# KiCad board keyball61_right.kicad_pcb (continued)
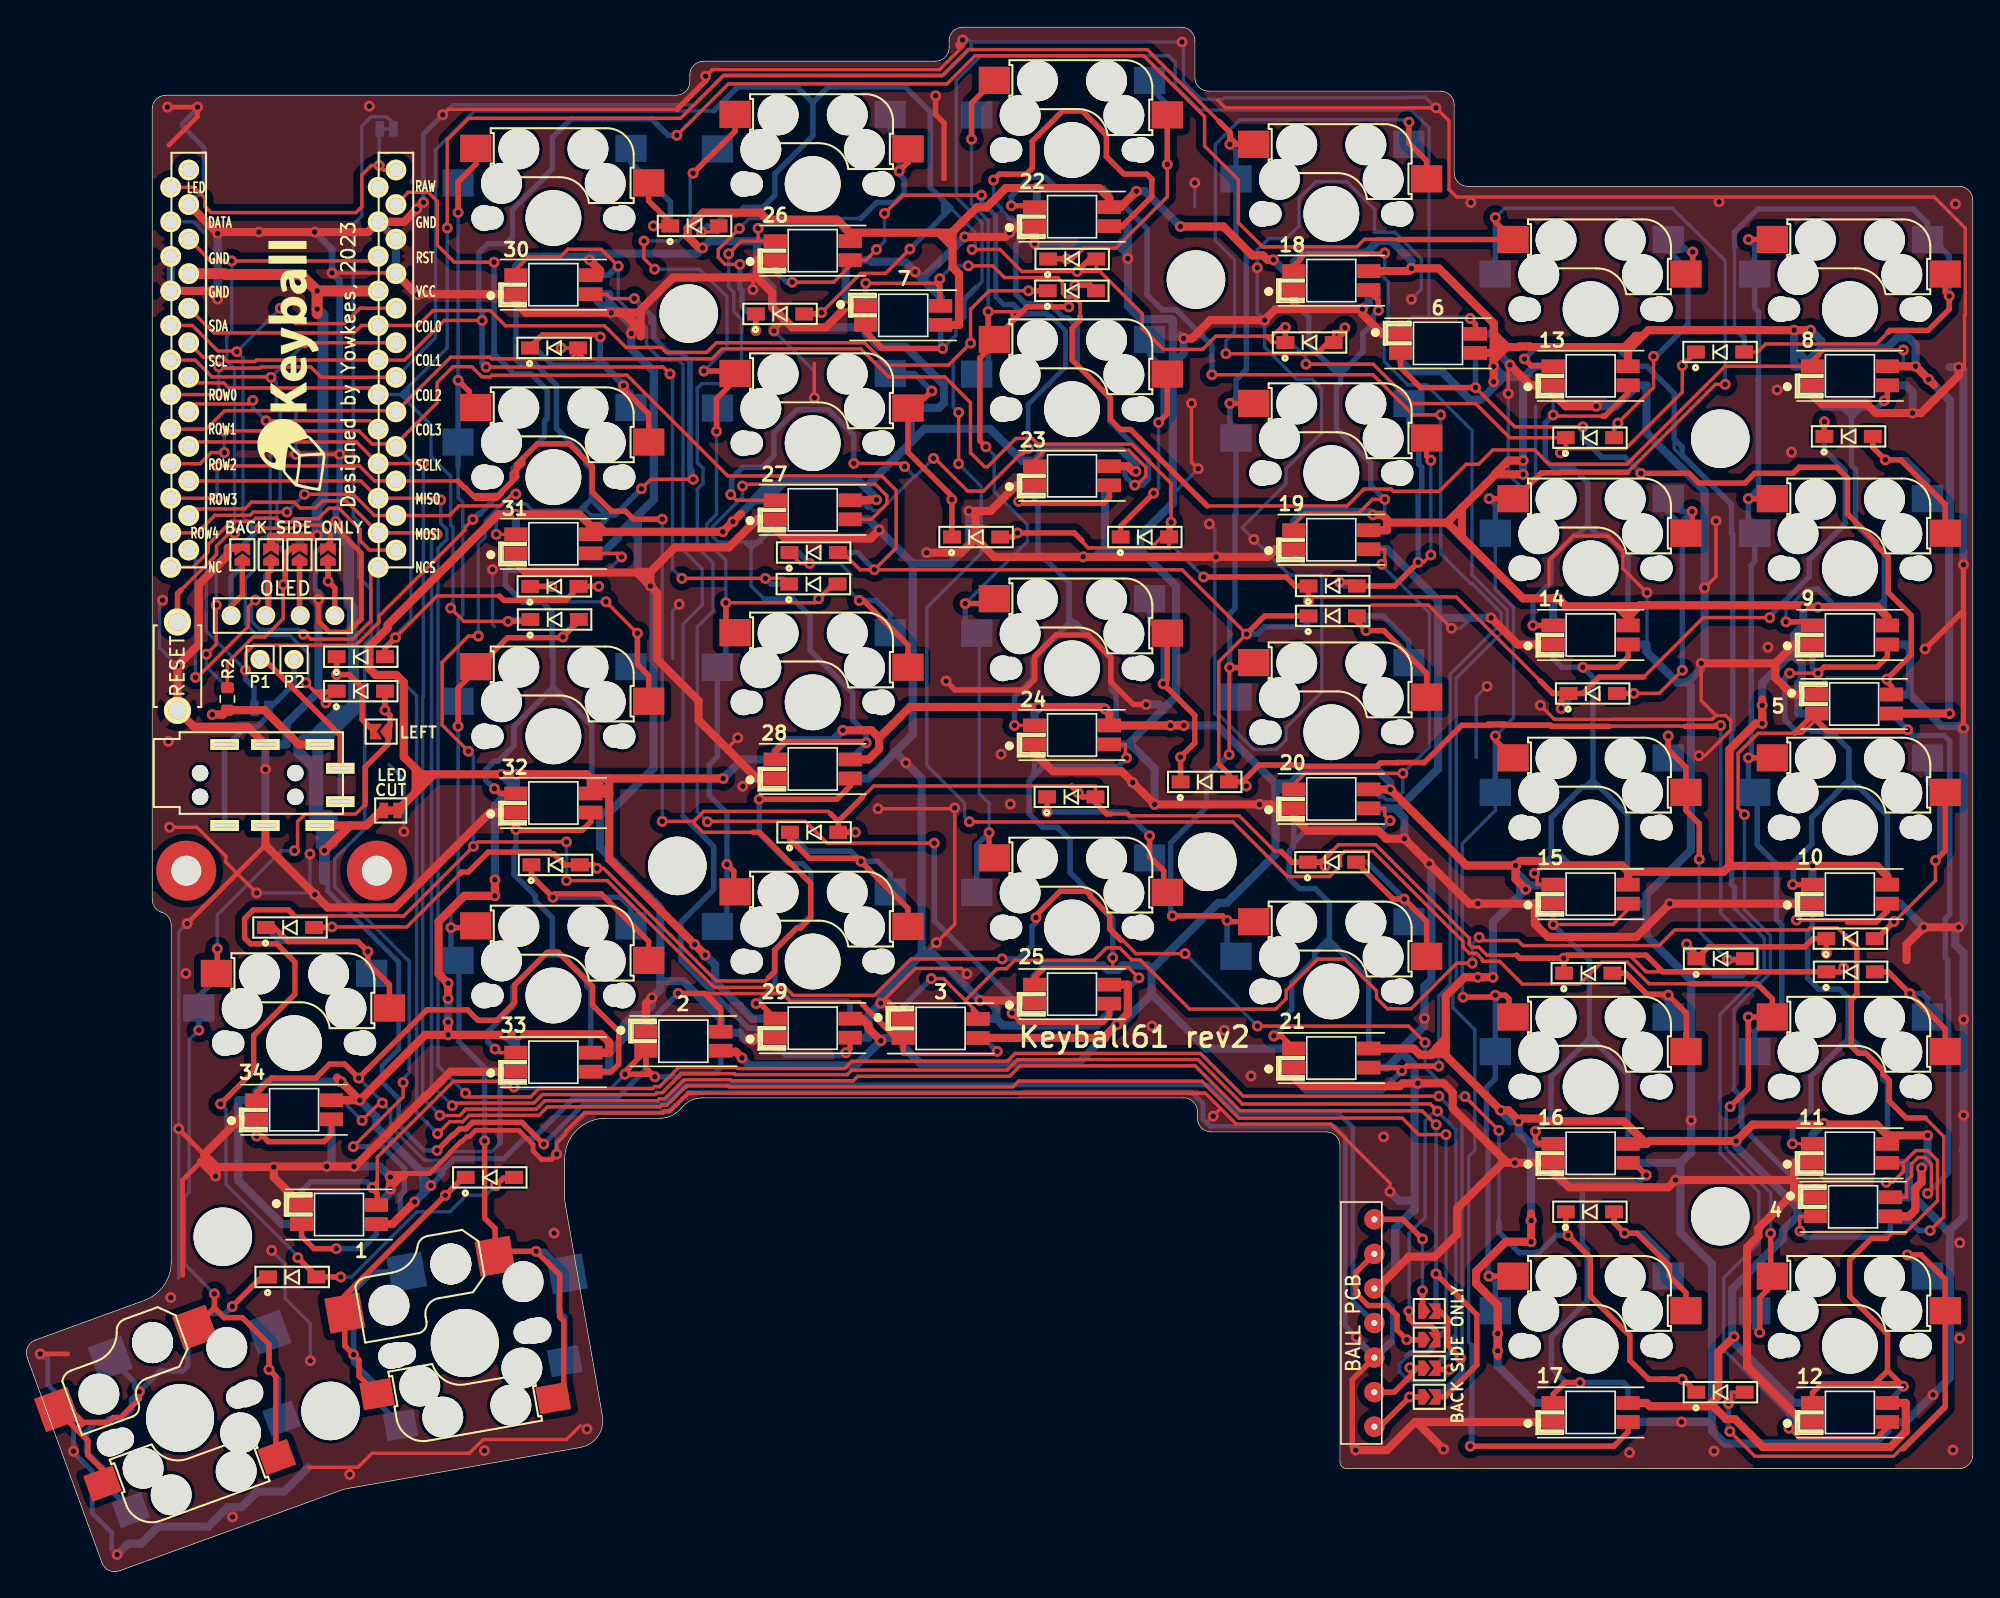
[diagram p0: board, top side]
## Routing (per net, layer and track width the routed paths; a pad name or vN(x,y) marks a point on that pad's centre or on a via; arc(x,y) is an arc through that point)
GND: length 1966.4
  Top w0.25: 66.53,45.91 v1(66.8,46.17) 68.13,47.51 v1(68.13,56.08) 68.07,56.02 v1(62.5,56.02) ; 19.38,82.07 v1(19.74,82.07) v1(22.95,82.07) ; v1(62.7,41.73) 65.25,44.28 68.63,44.28 v1(69.03,43.88) ; v1(104.63,69.29) 102.93,70.99 98.77,70.99 ; v1(44.38,90.95) 44.38,91.92 44.27,92.02 ; 124.07,62.87 123.79,62.6 112.19,62.6 v1(111.16,63.62) ; 124.07,62.87 122.98,63.96 v1(122.98,66.71) ; 124.07,62.87 124.76,62.87 125.14,62.49 125.14,61.8 123.26,59.92 v1(122.81,59.92) ; 48.53,35.09 47.23,33.79 46.81,33.79 46.69,33.67 46.69,33.65 40.91,33.65 39.56,32.3 39.56,32.08 38.89,31.42 v1(38.89,30.63) ; 48.53,35.09 49.26,35.09 ; 48.53,35.09 48.89,35.09 48.92,35.11 49.47,35.11 ; 48.53,35.09 49.17,35.09 ; v1(138.5,85.1) 139.07,85.1 142.32,88.36 142.32,92.28 142.38,92.33 142.38,98.69 140.09,100.98 105.01,100.98 104.47,101.52 104.45,101.52 104.45,106.58 v1(103.49,107.54) 88.01,107.54 87.45,108.1 ; v1(49.84,109.87) 50.32,110.35 67.02,110.35 68.72,112.05 v1(68.72,112.53) ; v1(54.86,91.14) 55.64,91.91 55.69,91.91 ; 87.72,33.93 86.56,35.09 ; 87.72,33.93 87.64,33.93 v1(87.12,33.42) ; 87.72,33.93 88.82,32.83 95.78,32.83 100.11,28.5 v1(100.11,27.87) ; 86.56,35.09 86.54,35.11 48.53,35.11 47.2,33.79 46.81,33.79 46.67,33.65 ; 86.56,35.09 85.23,35.09 ; v1(118.99,71.9) 117.23,73.66 117.23,74.96 116.13,76.06 113.58,76.06 111.79,74.28 111.79,72.52 ; v1(22.39,95.4) 27.04,95.4 U1.4 ; 53.6,95.06 53.31,94.77 v1(53.31,94.18) ; v1(124.06,77.17) 124.06,73.09 v1(123.23,72.25) ; v1(30.52,107.03) 30.92,107.43 47.74,107.43 ; v1(57.82,86.23) 57.82,88.75 ; 49.04,95.19 48.92,95.06 ; v1(86.02,81.01) 85.53,81.5 v1(85.53,85.81) ; v1(16.85,49.83) 14.59,52.09 14.59,52.52 12.45,54.66 v1(10.46,54.66) ; 20.66,7.61 24.29,7.61 25.32,8.64 32.48,8.64 33.49,9.65 39.61,9.65 40.63,10.67 ; v1(108.94,88.64) 108.8,88.51 v1(108.8,86.53) ; 51.45,60.39 51.45,60.47 v1(52.2,61.23) ; 13.91,29.68 13.91,28.85
  Top w0.35: v1(11.74,47.58) 17.5,53.33 ; 22.67,76.68 24.54,74.81 24.54,69.96 23.58,69 22.2,69 21.39,69.81 v1(21.39,71.41) ; 22.67,76.68 22.67,76.79 ; 22.67,76.68 v1(22.67,77.14) ; 11.41,21.71 11.41,28.72 12.77,30.07 ; 26.68,29.24 v1(26.68,28.06) 27.83,29.2 ; 26.93,29.2 v1(26.67,28.95) ; 26.93,29.2 27.83,29.2 ; 26.93,29.2 29.47,29.2 ; 27.83,29.2 29.47,29.2 ; v1(10.3,107.59) v1(12.5,107.59) 12.5,106.89 10.4,104.79 ; v1(0.95,15.94) 2.97,15.94 ; v1(38.89,30.63) 38.49,30.23 37.79,30.23 37.16,30.86 37.16,31.33 36.11,32.38 32.95,32.38 32.48,31.91 32.29,31.91 31.94,31.57 31.87,31.57 31.07,30.77 31.07,30.72 29.56,29.2 29.47,29.2 ; 10.98,32.61 12.99,30.6 13.91,29.68 v1(18.12,29.68) ; 15.17,75.19 JP2.2
  Top w0.4: v1(142.24,73.96) 142.24,70.38 ; 142.24,70.38 142.24,61.95 v1(142.25,61.94) ; 142.24,70.38 142.04,70.38 v1(139.42,67.76) ; J2.5 97.34,14.05 97.34,9.12 v1(97.59,8.87) ; v1(66.73,108.42) 66.73,107.05 67.35,106.43 67.35,102.33 ; v1(49.84,109.87) 49.84,109.53 47.74,107.43 ; v1(82.2,63.68) 81.26,63.68 79.6,65.34 79.6,67.12 77.93,68.79 75.58,68.79 74.01,67.23 74.01,65.52 73.24,64.75 68.16,64.75 v1(67.5,65.41) ; 68.37,112.18 68.72,112.53 v1(68.72,112.53) 68.72,112.24 68.48,111.99 68.45,111.99
  Top w0.6: v1(66.07,74.84) 68.63,74.84 69.67,75.89 ; 110.75,49.04 v1(106.57,49.04) 105.94,49.04 v1(103,51.98) v1(101.17,53.81) 99.83,53.81 99.23,54.42 94.05,54.42 93.05,55.41 20.3 91.7,56.04 91.41,56.34 v1(90.53,56.34) v1(82.82,56.34) v1(81.22,57.94) 80.39,58.77 75.36,58.77 74,60.12 24.3 ; 110.75,49.04 110.75,47.56 111.72,46.59 118.22,46.59 v1(120.67,49.04) 10.3 ; 110.75,49.04 15.3 ; 27.3 54.95,76.6 55.67,75.88 61.95,75.88 v1(62.58,76.51) ; 27.3 54.95,76.62 ; 27.3 53.6,77.29 51.54,75.22 47.58,75.22 45.78,73.43 ; U1.4 28.6,93.84 30.3 35.9,93.22 36.64,92.48 v1(42.91,92.48) 43.51,92.48 ; 13.91,29.68 13.91,29.09 v1(13.83,29.01) 12.77,30.07 ; 13.91,29.68 v1(18.12,29.68) ; 13.91,29.68 12.99,30.6 15.5,33.11 15.5,33.19 34.3 ; 138.06,44.88 138.06,46.03 v1(139.34,47.3) v1(141.89,47.3) ; v1(104.05,8.94) 102.05,10.94 101.95,10.94 ; 44.79,73.38 v1(45.78,72.39) ; 44.79,73.38 41.05,73.38 ; 44.79,73.38 44.84,73.43 45.78,73.43 ; v1(45.78,72.39) 45.26,72.91 ; v1(45.78,72.39) 45.78,73.43 ; v1(45.78,72.39) 45.78,72.34 ; v1(45.78,72.39) 46.28,71.89 46.28,66.99 49.32,63.96 49.32,62.53 53.6,58.24 28.3 ; v1(53.26,39.02) 53.43,39.19 29.3 53.6,39.19 ; 45.07,91.22 43.81,92.48 43.51,92.48 ; 45.07,91.22 45.07,92.48 ; 45.07,91.22 45.07,90.74 ; 2.3 45.45,41.69 v1(45.89,42.13) ; 26.3 53.6,96.34 53.6,95.06 ; v1(84.95,90.59) 85.57,90.59 86.91,91.93 v1(90.9,91.93) 91.72,92.74 93.05,92.74 ; v1(108.94,88.64) 110.43,87.14 13.3 112.1,86.52 113.02,85.6 v1(115.26,85.6) ; 11.3 129.8,29.99 129.8,28.72 ; J13.C 17.5,53.33 v1(21.13,49.7) 22.07,48.76 27.02,48.76 33.99,55.74 32.3 ; 9.3 129.8,68.09 128.42,66.71 128.42,66.71 ; 69.67,77.9 70.76,77.9 72.65,79.79 23.3 ; 69.67,77.9 69.67,75.89 ; 69.67,77.9 v1(69.19,77.9) ; v1(107.54,70.05) 109.5,68.09 14.3 ; 41.05,73.38 41.07,73.4 ; 41.05,73.38 36.62,73.38 35.9,74.1 31.3 ; 108.56,30.15 104.72,33.99 104.72,35.16 104.05,35.83 v1(102.16,35.83) 101.03,35.83 100.83,35.63 93.75,35.63 93.05,36.32 21.3 ; 108.56,30.15 105.05,26.64 105.05,24.74 103.4,23.09 101.5,23.09 99.17,20.75 ; 108.56,30.15 108.72,29.99 v1(109.28,29.99) 16.3 112.1,29.36 113.28,28.19 120.56,28.19 v1(121.1,28.72) 129.8,28.72 ; v1(74.01,97.56) 74.01,97.95 74,97.96 22.3 72.65,98.84 v1(72.17,98.36) 71.87,98.05 v1(68.88,98.05) ; 6.3 99.54,90.92 98.08,92.38 v1(98.08,92.74) 93.05,92.74 ; 128.42,66.71 128.42,65.66 129.66,64.41 5.3 ; 128.42,66.71 v1(122.98,66.71) ; 8.3 131.15,86.46 131.83,85.79 135.12,85.79 135.8,85.1 v1(138.5,85.1) 139.13,85.1 141.88,87.85 v1(141.88,88.48) ; 43.51,92.48 45.07,92.48 ; 53.6,95.06 47.45,95.06 45.07,92.69 45.07,92.48 ; 53.6,95.06 54.74,93.93 54.74,92.87 56.2,91.41 58.67,91.41 60.25,92.98 ; 3.3 63.19,41.73 v1(62.7,41.73) ; v1(13.99,93.49) 13.39,94.08 U1.4 ; 17.3 101.95,10.94 ; 101.95,10.94 99.88,8.87 v1(97.59,8.87) ; 12.3 130.44,10.94 126.35,15.03 126.35,23.77 127.18,24.6 127.18,25.17 129.46,27.45 130.03,27.45 ; U1.23 13.89,98.41 13.99,98.41 ; 15.17,75.19 14.73,75.19 14.73,74.64 12.61,72.52 12.61,68.1 v1(11.04,66.53) SW30.2 12.24,62.04 16.19,62.04 J13.C ; v1(18.12,29.68) 18.12,28.93 1.3 ; v1(18.12,29.68) 18.16,29.72 v1(22,29.72) v1(24.01,29.72) 24.08,29.72 29.25,34.9 29.31,34.9 31.1,36.69 33.3 ; 69.67,75.89 71.03,74.53 v1(77.58,74.53) v1(87.35,74.53) 91.15,74.53 91.7,75.09 19.3 ; v1(28.6,100.09) 28.35,99.84 28.35,99.82 27.69,99.16 U1.23 25.03,98.41 v1(21.11,98.41) v1(17.03,98.41) 13.99,98.41 ; 130.03,27.45 129.8,27.68 129.8,28.72 ; 130.03,27.45 4.3 ; 13.99,98.41 v1(13.99,98.31) ; 93.05,92.74 18.3 ; 27.7,29.08 27.57,28.95 v1(26.67,28.95) 26.67,28.07 v1(26.68,28.06) ; 60.25,92.98 v1(60.13,92.98) ; 60.25,92.98 7.3 ; 25.3 73.77,41.92 v1(69.99,41.92)
  Bottom w0.25: 11.13,21.5 v1(11.13,32.49) 11.13,46.96 v1(11.74,47.58) ; v1(34.18,73.6) 34.18,69.55 34.33,69.4 ; v1(86.84,76.96) 87.24,76.56 87.24,63.04 87.39,62.89 87.58,62.89 90.11,60.36 91.77,60.36 92.48,61.08 92.48,61.96 95.1,64.59 95.1,73.12 95.04,73.19 92.74,73.19 v1(90.11,75.82) 89.25,76.68 92.48,79.9 92.48,81.01 95.09,83.62 95.09,86.88 94.38,87.59 93.25,87.59 90.9,89.94 v1(90.9,91.93) 90.36,92.47 v1(90.36,95.79) 90.36,97.09 91.19,97.92 92.49,97.92 93.43,98.85 93.43,100.88 94.66,102.11 96.94,102.11 98.97,100.09 98.97,98.39 100.47,98.39 102.42,96.44 102.42,94.2 v1(101.68,93.47) ; v1(107.24,65.02) 106.45,64.23 106.45,59.79 ; v1(87.12,33.42) 86.66,32.95 86.62,32.95 ; 19.99,85.42 19.74,85.17 v1(19.74,82.07) ; v1(85.77,102.03) 85.77,100.27 ; 46.16,87.36 46.03,87.23 ; v1(20.79,15.44) 20.79,18.17 18.93,20.03 18.93,22.57 v1(17.95,23.55) ; v1(30.52,107.03) 31.26,107.76 49.04,107.76 51.26,109.99 67.38,109.99 69.35,111.96 69.35,112.3 ; 106.07,70.05 105.31,69.29 v1(104.63,69.29) ; v1(118.99,71.9) 118.99,68.13 118.95,68.09 ; v1(103.49,107.54) 102.71,108.32 101.44,108.32 101.4,108.28 87.93,108.28 87.82,108.17 86.23,108.17 84.94,109.46 84.94,112.27 v1(84.83,112.38) 69.43,112.38 69.35,112.3 ; 69.35,112.3 69.12,112.53 v1(68.72,112.53) ; v1(86.02,81.01) 84.16,79.14 84.16,78.48 ; v1(54.86,91.14) 57.82,88.18 v1(57.82,86.23) ; 65.71,45.32 65.94,45.32 v1(66.8,46.17) ; 47.4,67.08 47.4,70.56 v1(47.89,71.05) ; v1(20.77,52.69) 20.77,50.06 v1(21.13,49.7) 21,49.83 v1(16.85,49.83) ; v1(27.67,54.34) 27.67,58.17 26.57,59.27 ; 69.11,77.97 v1(69.19,77.9) ; v1(9.94,71.35) 9.71,71.12 9.71,67.85 v1(11.04,66.53) ; v1(108.8,86.53) 108.8,80.62 109.77,79.65 110.01,79.65 110.81,80.45 110.81,85.6 ; 80.87,95.21 80.85,95.23
  Bottom w0.35: 0.9,15.99 v1(0.95,15.94) 1.2,15.69 1.5,15.69 1.5,13.69 3.4,11.79 v1(3.4,8.79) 3.4,8.71 4.77,7.34 4.77,5.41 ; v1(6.6,1.19) 6.2,1.59 6.2,2.81 4.77,4.24 4.77,5.41 ; v1(30.52,107.03) 29.1,105.61 v1(29.1,100.59) ; 4.77,5.17 4.77,5.41 ; U1.23 13.01,101.57 13.01,104.59 11.4,106.19 11.4,106.39 12.6,107.59 v1(12.5,107.59) ; v1(38.89,30.63) 38.89,31.54 41.02,33.66 46.48,33.66 46.58,33.77 47.05,33.77 47.12,33.79 47.52,34.19 47.63,34.19 48.61,35.16 85.56,35.16 86.37,34.35 86.37,33.2 86.9,32.68 86.9,32.67 86.93,32.67 86.98,32.66 96.02,32.66 96.84,31.84 96.84,18 v1(97.65,17.19) 99.17,15.67 100.29,16.8 100.29,19.43 J2.3 ; 21.39,71.88 21.16,72.12 21.16,74.81 21.54,75.19 BACK SIDE ONLY#4.2
  Bottom w0.4: v1(97.65,17.19) 97.65,16.99 J2.5 100.09,16.8 100.29,16.8
  Bottom w0.5: v1(22.67,77.14) 22.67,77.99 22.95,78.27 v1(22.95,82.07) 22.95,94.84 v1(22.39,95.4) 22.39,97.14 21.12,98.41
  Bottom w0.6: J13.C v1(17.5,58.91) J13.C 19.05,60.74 19.05,62.29 21.39,64.64 v1(21.39,71.41) 21.39,71.88 ; 65.75,94.96 v1(65.23,95.48) 64.48,96.23 62.02,96.23 61.91,96.34 26.3 60.13,96.01 v1(60.13,92.98) ; 65.75,94.96 67.1,93.61 7.3 ; 65.75,94.96 66.73,95.95 66.77,95.95 v1(68.88,98.05) ; 80.85,95.23 v1(80.85,96.46) 80.85,96.75 ; 63.75,60.19 v1(64.55,59.39) 65.71,58.23 65.71,45.32 ; 63.75,60.19 65.06,61.49 65.06,74.04 ; 63.75,60.19 61.8,58.24 28.3 ; 123.77,10.94 v1(121.53,10.94) 17.3 ; 123.77,10.94 123.77,22.54 121.45,24.86 121.45,28.72 ; 123.77,10.94 123.77,10.29 124.71,9.35 135.68,9.35 136.65,10.32 12.3 138,10.94 v1(140,12.94) 141.25,14.19 141.25,24.82 ; v1(26.68,28.06) 26.68,27.82 ; 26.68,27.82 25.76,26.89 1.3 25.83,26.89 ; 26.68,27.82 26.67,27.83 v1(26.67,28.95) 25.9,29.72 v1(22,29.72) 22.35,30.08 34.3 ; 44.38,91.58 v1(44.38,90.95) 44.38,89.82 46.03,88.16 46.03,78.74 44.86,77.57 ; 44.38,91.58 43.48,92.48 v1(42.91,92.48) 42.76,92.48 30.3 42.75,93.84 42.75,93.2 44.38,91.58 ; 84.71,90.83 v1(84.95,90.59) 84.95,89.49 84.16,88.69 84.16,88.66 ; 141.21,88.48 v1(141.88,88.48) 141.97,88.48 142.24,88.21 v1(142.24,73.96) ; 142.25,31.02 v1(142.25,33.49) v1(142.25,40.53) 142.25,45.42 141.65,46.02 141.65,47.07 v1(141.89,47.3) 142.25,47.67 142.25,61.64 ; 142.25,31.02 142.25,26.01 141.25,25.01 141.25,24.82 ; 142.25,31.02 142.19,30.95 ; 142.25,61.64 v1(142.25,61.94) ; 142.25,61.64 141.79,62.1 140.63,62.1 138.31,64.41 ; 65.71,45.32 66.6,45.32 v1(69.99,41.92) 70.61,41.92 71.2,41.33 71.2,40.57 ; 65.71,45.32 62.7,42.31 v1(62.7,41.73) 61.8,40.83 61.8,39.19 29.3 ; v1(53.26,39.02) 52.84,39.02 52.3,39.55 50.95,39.55 50.95,40.59 48.2,43.34 46.51,43.34 ; v1(107.54,70.05) 103.65,70.05 ; 121.45,28.72 v1(121.1,28.72) ; 121.45,28.72 121.45,29.99 ; 138.62,27.45 138.23,27.45 ; 138.62,27.45 138.62,28.02 ; 138.62,27.45 141.25,24.82 ; 138.23,27.45 138.23,29.76 138,29.99 11.3 ; 138.23,27.45 4.3 ; 80.85,97.42 80.84,97.4 80.33,97.4 ; 80.85,97.42 80.85,98.12 ; 80.85,97.42 80.85,96.75 ; 80.33,97.4 80.33,97.59 80.85,98.12 ; 80.33,97.4 80.33,97.27 80.85,96.75 ; 80.33,97.4 74.12,97.4 74.01,97.51 v1(74.01,97.56) ; 81.78,75.01 84.4,72.39 84.4,64.29 83.47,63.35 ; 81.78,75.01 79.42,75.01 79.18,75.26 ; 81.78,75.01 81.78,76.1 84.16,78.48 84.16,88.66 ; 138.31,64.41 138.31,67.78 138,68.09 9.3 ; 138.31,64.41 5.3 ; 71.2,40.57 71.68,40.09 78.58,40.09 79.5,41.01 25.3 ; 71.2,40.57 3.3 ; 79.18,75.26 79.18,79.46 23.3 ; 79.18,75.26 78.45,74.53 v1(77.58,74.53) ; 44.46,77.17 44.12,76.83 ; 44.46,77.17 44.86,77.57 ; 44.46,77.17 43.38,76.09 ; 44.12,76.83 44.12,76.77 44.86,76.02 ; 44.12,76.83 43.38,76.09 ; 80.85,98.12 80.85,98.84 22.3 ; 44.86,76.02 44.86,73.31 v1(45.78,72.39) 46.01,72.16 46.01,58.99 42.75,55.74 42.08,55.74 ; 44.86,76.02 44.86,77.57 ; U1.4 U1.3 ; 27.3 61.8,77.29 v1(62.58,76.51) 65.06,74.04 ; 100.61,55.92 100.49,56.04 20.3 ; 100.61,55.92 103.65,58.95 103.65,70.05 ; 100.61,55.92 101.17,55.36 v1(101.17,53.81) 103.15,51.82 103.15,43.47 102.64,42.96 v1(102.64,40.61) 102.64,40.05 101,38.41 101,38.09 ; 33.3 42.75,36.69 42.75,38.1 43.89,39.23 43.89,40.21 44.55,40.87 45.18,40.87 45.89,41.58 v1(45.89,42.13) 46.51,42.75 46.51,43.34 ; 65.06,74.04 67.81,74.04 69.19,75.41 v1(69.19,77.9) ; 24.3 80.85,60.74 80.96,60.84 ; 32.3 42.08,55.74 ; 42.08,55.74 42.08,53.17 46.51,48.74 46.51,43.34 ; 103.65,70.05 103.65,71.34 99.9,75.09 19.3 ; 80.96,60.84 82.82,58.97 v1(82.82,56.34) ; 80.96,60.84 83.47,63.35 ; 16.3 121.45,29.99 ; 101.92,27.21 101.92,26.47 ; 101.92,27.21 101.92,37.17 101,38.09 ; 101.92,27.21 100.78,27.21 v1(100.11,27.87) ; 101.92,26.47 101.92,27.17 ; 101.92,26.47 101.79,26.47 100.5,25.19 100.5,22.09 99.17,20.75 ; 121.96,65.29 122.22,65.03 122.22,52.97 118.95,49.7 118.95,49.04 ; 121.96,65.29 122.98,66.31 v1(122.98,66.71) 123.23,66.96 v1(123.23,72.25) 123.23,79.37 118.95,83.64 118.95,87.14 118.28,87.14 ; 121.96,65.29 121.22,65.29 118.95,67.56 118.95,68.09 14.3 ; v1(6.6,1.19) 7.4,1.99 8.35,1.99 9.6,3.24 13.29,3.24 14.72,4.67 15.74,4.67 16.9,5.82 18.88,5.82 20.66,7.61 ; 18.3 98.55,93.21 v1(98.08,92.74) ; 83.47,63.35 83.14,63.68 v1(82.2,63.68) ; v1(138.5,85.1) 138.5,86.64 138,87.14 8.3 ; U1.23 25.82,99.16 U1.3 U1.4 ; v1(115.26,85.6) 116.74,85.6 118.28,87.14 ; 13.3 118.28,87.14 ; 80.87,95.21 80.87,92.97 81.83,92.01 84.08,92.01 84.16,91.93 84.16,88.66 ; 118.95,49.04 118.95,46.69 122.24,43.4 v1(122.24,33.12) 122.24,30.78 121.45,29.99 ; 118.95,49.04 15.3 ; v1(28.6,100.09) v1(29.1,100.59) ; 101,38.09 99.9,36.99 21.3 ; 6.3 107.74,90.92 107.74,89.83 v1(108.94,88.64) ; 10.3 137.6,49.04 v1(139.34,47.3) ; 43.38,76.09 43.38,75.92 ; 43.38,76.09 43.38,75.92 ; 43.38,75.92 42.25,74.79 31.3 ; v1(13.99,98.31) v1(13.99,93.49)
  vias: v1(10.37,60.97) v1(10.54,20.08) v1(11.65,43.92) v1(15.08,3.96) v1(23.69,7.08) v1(25.13,107.66) v1(28.67,93.81) v1(33.58,8.83) v1(38.7,24.82) v1(41.12,10.42) v1(52.56,57.67) v1(71.54,60.02) v1(72.22,56.36) v1(82.62,40.04) v1(87.94,39.74) v1(89.9,36.37) v1(99.64,31.9) v1(106.05,100.58) v1(117.71,8.69) v1(123.92,8.8) v1(124.28,100.63) v1(127.88,67.89) v1(128.55,86.8) v1(129.61,82.23) v1(141.47,8.88) v1(141.65,100.47) v1(141.97,24.11) v1(141.96,17.09)
VCC: length 229.1
  Top w0.35: 17.9,75.52 JP4.2
  Top w0.4: v1(30.1,30.9) 31.24,32.03 31.31,32.03 31.76,32.49 32.24,32.49 32.71,32.96 36.34,32.96 v1(37.94,31.36)
  Top w0.6: 17.9,75.52 17.9,76.01 21.19,76.01 v1(21.3,76.11) ; 23.68,54.79 23.68,54.73 22.41,53.46 ; 23.68,54.79 24.9,54.79 26,55.89 ; 23.68,54.79 23.67,54.79 v1(21.84,52.96) ; 23.68,54.79 J13.D ; J13.D 19.95,60.74 17.42,63.26 R2.1 14.38,62.94 v1(13.6,62.94) ; 20.03,95.35 v1(21.3,94.08)
  Top w0.8: U1.21 v1(21.3,94.08) ; v1(21.3,94.08) 21.3,92.41 ; v1(21.3,94.08) 20.09,95.29 14.54,95.29 14.48,95.35 U1.21
  Bottom w0.35: 39.19,32.62 40.79,34.21 46.25,34.21 46.35,34.32 46.87,34.32 48.26,35.71 86.94,35.71 89.01,33.64 96.33,33.64 97.39,32.58 97.39,19.79 97.51,19.67 ; 39.19,32.62 38.34,31.77 38.34,31.77 v1(37.94,31.36) 37.92,31.35 ; 39.19,32.62 39.18,32.62 ; 21.84,50.8 22.07,50.56 22.07,49.97 22.47,49.57 22.47,49.57 27.29,44.74 27.29,44.58 27.28,44.57 27.28,38.34 26.06,37.12 26.06,35.93 27.28,34.71 27.28,32.77 29.16,30.9 v1(30.1,30.9) ; 22.66,53.51 21.5,54.67 J13.D
  Bottom w0.4: 97.51,19.67 J2.4
  Bottom w0.6: 21.5,53.92 21.5,53.3 v1(21.84,52.96) ; 21.5,53.92 J13.D 20.99,55.3 20.99,59.02 19.95,60.06 19.95,60.74 J13.D ; 21.5,53.92 21.93,53.48 ; R2.1 14.38,62.94 v1(13.6,62.94) ; 22.89,63.22 23.31,63.22 23.98,63.88 23.98,63.96 ; JP15.2 20,76.01 20.11,76.11 v1(21.3,76.11)
  Bottom w0.8: 23.98,63.22 22.89,63.22 20.78,61.11 20.32,61.11 19.95,60.74 19.95,60.16 20.78,59.33 ; 23.98,63.22 J13.D 21.35,60.59 21.35,55.52 ; 23.98,63.22 23.98,68.14 23.88,68.24 23.88,69.58 23.9,69.6 23.9,70.8 ; v1(21.84,52.96) 22.34,53.46 22.41,53.46 ; v1(21.84,52.96) 21.84,50.8 ; v1(21.84,52.96) 21.84,54.45 J13.D ; 22.41,53.46 22.41,55.25 22.14,55.52 21.35,55.52 ; 22.41,53.46 22.41,53.87 J13.D ; J13.D 21.35,54.94 21.35,55.52 ; 23.88,70.8 23.63,71.05 23.63,75.46 22.97,76.11 v1(21.3,76.11) 21.3,78.27 21.72,78.7 21.72,92.31 v1(21.3,92.74) v1(21.3,94.08)
COL0: length 309.3
  Top w0.25: v1(69.21,55.06) 69.81,55.06 69.83,55.05 88.58,55.05 92.59,51.03 95.68,51.03 96.48,51.83 96.48,52.59 96.78,52.89 98.85,52.89 105.49,46.25 105.49,45.84 105.94,45.39 106.46,45.39 106.88,44.97 106.88,44.86 106.94,44.8 108.16,44.8 109.84,43.12 114.05,43.12 115.66,44.73 117.57,44.73 119.14,43.15 122.24,43.15 ; v1(68.42,85.15) v1(68.42,81.38) ; U1.20 13.14,91.54 13.18,91.54 13.73,90.99 24.01,90.99 24.55,91.54 U1.20 28.72,91.54 29.81,92.63 34.02,92.63 35.13,91.52 42.41,91.52 44,89.92 44.01,89.93 46.58,89.93 46.94,89.56 49.91,89.56 50.63,90.27 61.41,90.27 61.51,90.27 63.15,88.63 67.69,88.63 v1(69.3,90.24) 69.3,92.73 70.66,94.09 v1(73.55,94.09)
  Top w0.4: v1(126.45,78.81) SW7.1 ; v1(126.45,97.86) SW1.1 ; v1(128.08,24.8) 128.08,21.78 SW26.1 128.2,21.01 127.27,20.08 v1(127.27,17.51) ; 122.24,43.15 127.09,43.15 128.2,42.03 SW19.1 v1(126.44,40.71) 126.44,35.45 v1(125.1,34.12) ; D31.1 v1(73.55,94.09) ; SW13.1 v1(126.45,59.76)
  Bottom w0.25: v1(125.1,34.12) 124.82,33.83 124.82,31.05 128.08,27.79 v1(128.08,24.8) ; v1(68.42,81.38) 70.09,79.71 70.09,74.8 66.08,70.79 66.08,59.21 68.86,56.43 68.86,55.41 v1(69.21,55.06) ; v1(69.3,90.24) 68.02,88.97 68.02,85.55 v1(68.42,85.15) ; 126.9,39.49 126.44,39.96 v1(126.44,40.71) ; 126.9,39.49 SW19.1 ; 126.9,39.49 128.51,41.1 ; 127.12,87.54 127.12,79.02 126.9,78.81 v1(126.45,78.81) ; 126.68,73.95 126.68,59.76 v1(126.45,59.76)
  Bottom w0.4: v1(126.44,40.71) 126.44,38.63 SW19.1 126.9,39.6 128.89,41.59 128.89,47.47 128.51,47.86 128.51,51.95 127.09,53.36 127.09,57.03 SW13.1 126.45,57.67 v1(126.45,59.76) 126.66,59.97 126.66,73.93 126.9,74.17 SW7.1 126.45,76.73 v1(126.45,78.81) 127.19,79.55 127.19,87.61 ; v1(127.27,17.51) 126.9,17.88 SW26.1 ; 127.19,87.61 127.12,87.54 ; 127.19,87.61 127.19,92.54 126.9,92.83 SW1.1 126.9,97.41 v1(126.45,97.86) ; v1(73.55,94.09) D31.1
COL1: length 296.7
  Top w0.25: 47.23,87.97 v1(47.22,87.98) 46.72,88.49 v1(33.71,88.49) ; U1.19 12.92,89.21 14.37,89.21 14.69,88.89 16.74,88.89 16.85,89 U1.19 27.72,89 30.63,91.91 v1(33.42,91.91) ; 122.75,85.94 117.56,80.75 ; 122.75,85.94 122.91,86.1 ; 122.75,85.94 124.03,87.21 v1(124.74,87.21) ; 107.99,42.03 107.85,42.17 ; 107.85,42.17 v1(107.85,42.31) ; 107.85,42.17 v1(105.49,42.17) ; v1(48.09,72.95) v1(54.22,72.95) 55.56,72.95 D32.1 ; 100.8,97.88 98.24,97.88 97.68,97.31 90.76,97.31 88.97,99.1 88.97,102.25 86.49,104.73 86.49,106.89 82.02,111.37 69.63,111.37 67.57,109.3 51.51,109.3 48.44,106.23 48.44,106.23 v1(47.72,105.52)
  Top w0.4: v1(107.85,61.37) 107.85,61.06 SW14.1 ; SW20.1 108.86,41 108.86,42.03 108.58,42.31 v1(107.85,42.31) 107.72,42.17 v1(105.49,42.17) ; v1(107.4,78.81) SW8.1 109.34,78.81 111.24,80.71 112.6,80.71 112.64,80.75 117.56,80.75 ; SW27.1 v1(107.38,21.66) ; 100.8,97.88 100.82,97.86 SW2.1 107.85,99.16 v1(107.85,99.47)
  Bottom w0.25: 48.13,72.91 v1(48.09,72.95) 47.4,73.64 47.4,87.8 v1(47.22,87.98) ; 47.07,105.52 46.2,106.4 ; SW14.1 107.85,55.89 105.43,53.47 105.43,42.22 v1(105.49,42.17) ; v1(107.85,61.37) 109.19,62.71 109.19,70.81 107.85,72.14 SW8.1 ; v1(107.85,99.47) 108.53,100.15 120.88,100.15 124.74,96.29 v1(124.74,87.21)
  Bottom w0.4: D32.1 54.64,72.53 v1(54.22,72.95) ; 38,102.41 35.65,100.06 35.65,98.05 35.16,97.55 33.84,97.55 33.17,96.89 33.17,92.8 33.42,92.56 v1(33.42,91.91) 33.42,88.78 v1(33.71,88.49) ; 38,102.41 38.06,102.41 ; 38,102.41 38,102.48 38.59,103.07 38.59,105.37 39.94,106.72 45.87,106.72 47.07,105.52 v1(47.72,105.52) ; SW8.1 107.85,78.36 v1(107.4,78.81) ; SW27.1 107.85,21.18 v1(107.38,21.66) 107.32,21.72 107.32,31.4 107.2,31.51 107.2,35.53 107.85,36.18 SW20.1 v1(107.85,42.31) ; v1(107.85,99.47) SW2.1 ; SW14.1 v1(107.85,61.37)
COL2: length 209.1
  Top w0.25: 87.55,106.55 82.28,111.82 69.13,111.82 67.21,109.9 51.12,109.9 47.99,106.77 32.43,106.77 30.85,105.19 v1(30.85,98.71) ; U1.18 12.29,87.31 14.44,87.31 14.8,86.95 25.29,86.95 U1.18 ; v1(31.11,70.76) 32.08,69.79 v1(35.32,69.79) 36.95,69.79 36.96,69.8 ; v1(88.3,60) 88.3,66.36 v1(88.34,66.4)
  Top w0.4: SW21.1 88.24,47.71 v1(88.15,47.8) 87.81,48.15 v1(84.13,48.15) ; 88.35,105.74 87.55,106.55 ; 88.35,105.74 v1(88.35,104.86) 88.83,104.86 ; 88.35,105.74 88.35,105.34 88.83,104.86 ; v1(88.35,85.81) SW9.1 ; v1(35.32,69.79) 36.83,69.79 D33.1 ; SW15.1 89.74,66.4 v1(88.34,66.4) ; 88.83,104.86 SW3.1
  Bottom w0.25: 31.05,70.71 v1(31.11,70.76) 31.28,70.93 31.28,76.72 31.1,76.9 31.1,80.46 29.66,81.9 29.66,84.22 28.05,85.84 ; v1(35.32,69.79) 36.95,69.79 36.96,69.8 ; 27.43,86.46 27.67,86.22 ; 27.43,86.46 27.7,86.73 ; 27.43,86.46 U1.18 ; 27.67,86.22 27.7,86.24 27.7,86.73 ; 27.67,86.22 27.83,86.06 ; 28.05,85.84 27.83,86.06 ; 28.05,85.84 28.05,87.08 ; 28.05,87.08 30.85,89.89 v1(30.85,98.71) ; 28.05,87.08 27.87,86.9 ; 27.83,86.06 27.87,86.09 27.87,86.9 ; 27.87,86.9 27.7,86.73
  Bottom w0.4: v1(35.32,69.79) 35.46,69.93 D33.1 ; v1(84.13,48.15) 84,48.28 84,53.5 86.63,56.13 86.63,58.33 v1(88.3,60) ; SW15.1 88.34,64.69 v1(88.34,66.4) 88.34,70.35 88.73,70.74 88.73,77.65 88.8,77.73 SW9.1 88.35,83.72 v1(88.35,85.81) 88.8,86.26 88.8,87.54 89.56,88.3 89.56,96.97 88.8,97.73 SW3.1 88.8,104.41 v1(88.35,104.86) ; SW21.1 88.15,45.82 v1(88.15,47.8)
COL3: length 45.4
  Top w0.25: v1(21.95,63.79) 21.59,64.15 ; 21.59,64.15 21.02,64.72 ; 21.59,64.15 21.62,64.18 21.62,64.66 ; 21.59,64.15 22.1,64.66 ; 21.02,64.72 v1(20.47,65.27) ; 21.02,64.72 21.08,64.66 21.62,64.66 ; D34.1 22.1,64.66 ; 22.1,64.66 21.62,64.66 ; v1(16.58,86.04) 16.31,85.77 12.45,85.77 U1.17 ; U1.17 25.17,84.54 v1(17.54,84.54)
  Bottom w0.25: v1(20.47,65.27) 20.68,65.48 20.68,67.38 19.32,68.74 16.89,68.74 16.03,69.61 16.03,72.93 16.85,73.76 16.85,75.53 17.24,75.91 17.46,75.91 17.85,76.3 17.85,84.23 v1(17.54,84.54) 16.58,85.5 v1(16.58,86.04)
  Bottom w0.4: v1(21.95,63.79) 21.95,63.88 D34.1
DATA: length 105.2
  Top w0.25: U1.2 27.99,101.33 29.46,101.33 30.12,100.67 30.12,97.45 31.38,96.19 v1(34.3,96.19) ; v1(16.04,66.19) 16.04,67.44 16.63,68.03 24.14,68.03 25.85,69.74 25.85,70.19 32.19,76.53 32.19,76.73 v1(32.74,77.29)
  Bottom w0.25: U1.2 12.21,99.16 13.15,98.21 13.15,69.08 v1(16.04,66.19) ; 16.66,64.9 16.66,63.43 16.69,63.4 16.69,63.39 ; v1(34.3,96.19) 34.3,89.87
  Bottom w0.4: v1(16.04,66.19) 16.04,65.53 16.66,64.9 16.66,63.88 16.61,63.83 16.61,63.39 ; 34.3,89.46 34.3,89.87 ; 34.3,89.46 v1(34.3,96.19) ; 34.3,89.46 35.76,87.99 36.99,87.99 38.2,86.78 38.2,84.69 38.05,84.54 38,84.54 38,83.36 35.69,81.05 35.69,80.13 33.25,77.69 33.14,77.69 v1(32.74,77.29)
LED: length 23.3
  Top w0.25: U1.1 26.18,102.97 v1(25.85,103.3) ; v1(25.85,103.3) 25.83,103.32 ; v1(25.85,103.3) 25.29,103.3 24.58,102.59 24.58,100.27 24.15,99.84 13.5,99.84 13.06,100.28 13.06,100.89 12.25,101.7 U1.1
  Bottom w0.25: v1(25.85,103.3) 25.85,105.95 25.89,105.99
MISO: length 167.7
  Top w0.25: v1(30.38,78.72) 30.25,78.84 U1.15 24.51,80.11 U1.15 ; v1(103.7,34.89) 89.33,34.89 86.19,38.03 72.57,38.03 72,37.46 60.59,37.46 60.05,36.92 52.22,36.92 52.15,36.99 47.81,36.99 47.79,36.97 47.79,36.92 46.46,35.59 46.06,35.59 45.93,35.45 37.6,35.45 36.98,34.83 32.47,34.83 v1(32.19,35.11) ; JP1.2 103.78,19.09
  Top w0.4: v1(105.29,15.63) 104.35,16.57 104.35,18.52 103.78,19.09
  Bottom w0.25: 105.4,15.58 105.4,14.69 ; 105.4,15.58 105.34,15.58 v1(105.29,15.63) ; 105.4,15.58 105.4,33.19 v1(103.7,34.89) ; v1(32.19,35.11) 30.18,37.12 30.18,75.16 30.83,75.81 30.83,76.54 30.38,76.99 v1(30.38,78.72) ; JP16.2 103.75,13.03
  Bottom w0.4: 105.4,15.43 105.29,15.54 v1(105.29,15.63) 105.4,15.52 105.4,14.55 103.89,13.03 103.75,13.03
MOSI: length 180.3
  Top w0.25: v1(103.6,33.79) 103.07,34.32 89.27,34.32 86.01,37.58 72.76,37.58 71.99,36.81 60.57,36.81 60.24,36.47 52.04,36.47 51.96,36.54 48.05,36.54 47.97,36.47 46.64,35.14 46.25,35.14 46.12,35 37.84,35 37.22,34.38 31.42,34.38 v1(31.22,34.19) ; 101.5,18.62 v1(101.5,19.09) ; v1(30.1,76.19) 29.99,76.3 U1.14 23.95,78.13 23.43,78.65 21.71,78.65 21.19,78.13 20.04,78.13 19.62,78.55 16.47,78.55 15.98,78.06 12.36,78.06 U1.14 ; JP3.2 103.5,17.61
  Top w0.4: 103.5,17.61 103.06,18.05 101.98,18.05 101.5,18.52 v1(101.5,19.09)
  Bottom w0.25: BACK SIDE ONLY#3.2 104.95,16.34 104.95,32.41 103.78,33.59 103.78,33.62 v1(103.6,33.79) 103.42,33.79 102.7,33.07 102.7,25.98 101.5,24.79 101.52,24.77 101.52,19.11 v1(101.5,19.09) ; v1(30.1,76.19) 29.7,75.79 29.7,35.71 v1(31.22,34.19)
  Bottom w0.4: 103.85,15.42 104.18,15.75 104.23,15.75 104.88,16.4 104.88,17.21
NCS: length 180.5
  Top w0.25: v1(30.15,32.13) 31.03,33.01 32,33.01 32.47,33.48 37.59,33.48 38.21,34.1 46.49,34.1 46.62,34.24 47.02,34.24 48.32,35.54 48.35,35.54 48.38,35.57 48.39,35.57 48.47,35.64 51.47,35.64 51.55,35.57 72.4,35.57 72.82,35.99 86.3,35.99 89.01,33.28 101.01,33.28 102.23,32.06 v1(104.23,32.06) ; v1(16.76,71.36) 16.25,70.85 16.25,69.42 12.5,65.68 v1(12.36,65.68) ; U1.13 25.24,73.22 25.24,69.82 23.9,68.48 20.83,68.48 20.47,68.84 v1(20.29,68.84) ; BACK SIDE ONLY.2 103.72,14.89
  Top w0.4: v1(104.47,14.8) 103.81,14.8 103.72,14.89
  Bottom w0.25: 103.8,17.28 JP12.2 103.5,16.64 103.3,16.44 ; 104.23,18.27 v1(104.23,32.06) ; v1(30.15,32.13) 28.6,33.68 28.6,64.31 27.18,65.73 26.01,65.73 25.37,66.37 25.37,66.39 25.3,66.45 25.3,67.98 25.78,68.46 U1.13 25.3,73.28 ; v1(12.36,65.68) 12.36,74.53 U1.13 ; 101.38,15.77 100.81,15.2 100.81,14.64 101.49,13.96 103.94,13.96 104.47,14.5 v1(104.47,14.8) ; v1(16.76,71.36) 16.48,71.08 16.48,69.8 17.08,69.2 19.93,69.2 v1(20.29,68.84)
  Bottom w0.4: 104.23,18.27 104.23,17.71 103.8,17.28 ; 103.3,16.44 102.88,16.02 101.63,16.02 101.38,15.77
RESET: length 43.6
  Top w0.25: U1.22 25.45,96.29 v1(15.02,96.29) 13.47,96.29 U1.22 ; 11.3,72.1 13.9,74.7 13.9,75.33 14.84,76.27 v1(15.23,76.27)
  Top w0.4: SW30.1 11.04,71.83 11.3,72.1
  Bottom w0.25: v1(15.02,96.29) 15.02,91.09 14.65,90.72 14.65,88.93 15.23,88.35 v1(15.23,76.27)
ROW0: length 199.4
  Top w0.25: 92.43,90.29 91.45,90.29 ; 91.45,90.29 91.45,90.75 ; 91.45,90.29 90.99,90.75 90.89,90.75 ; 113.03,82.49 117.44,82.49 121.59,86.64 v1(121.59,88.59) 122.59,89.59 ; 113.03,82.49 112.95,82.49 v1(112.64,82.18) ; 113.03,82.49 D2.1 108.91,83.29 106.41,85.8 101.79,85.8 98.89,88.7 v1(93.94,88.7) ; U1.7 21.59,87.73 20.82,88.5 17.21,88.5 17.12,88.41 14.15,88.41 v1(14.07,88.49) ; D4.2 78.54,95.78 78.81,95.51 ; 91.45,90.75 92.1,91.4 v1(92.43,91.4) ; 91.45,90.75 90.89,90.75 ; v1(69.41,97.13) 71.45,97.13 73.07,95.51 v1(77.13,95.51) 78.81,95.51 ; U1.7 14,86.46 v1(14.07,86.52) ; 90.89,90.75 87.32,90.75 86.34,89.78 83.47,89.78 81.94,91.31 81.91,91.31 81.91,92.4 78.81,95.51 ; v1(58.36,92.49) 61.23,95.37 63.06,95.37 v1(64.85,97.16) ; v1(49.52,98.42) 50.76,98.42 50.8,98.46 50.8,98.86
  Top w0.4: 57.08,92.39 58.25,92.39 v1(58.36,92.49) ; v1(92.43,91.4) 92.43,90.29 ; v1(77.13,95.51) 78.05,96.43 D4.2
  Bottom w0.25: 92.43,90.69 v1(92.43,91.4) ; 92.43,90.69 92.43,90.29 ; 92.43,90.69 93.94,89.17 v1(93.94,88.7) ; 50.44,107.31 32.86,107.31 29.99,104.44 29.99,90.63 U1.7 ; v1(69.41,97.13) 69.64,97.36 69.64,98.38 67.86,100.17 ; 66.34,106.79 66.34,106.6 ; v1(14.07,88.49) v1(14.07,86.52)
  Bottom w0.4: D4.2 78.05,96.43 v1(77.13,95.51) ; 57.72,107.91 57.72,105.49 54.92,102.7 54.92,101.11 54.03,100.22 52.64,100.22 52.08,99.66 51.22,99.66 50.8,99.23 50.8,98.86 49.96,98.86 v1(49.52,98.42) ; 57.72,107.91 56.56,109.07 52.19,109.07 50.44,107.31 ; 57.72,107.91 57.72,107.93 58.87,109.09 64.49,109.09 66.34,107.24 66.34,101.68 67.33,100.69 ; 67.36,99.67 67.86,100.17 67.33,100.69 ; 67.36,99.67 v1(64.85,97.16) ; 67.36,99.67 67.33,99.7 67.33,100.69 ; v1(58.36,92.49) 58.25,92.39 57.08,92.39 ; D2.1 113.03,82.62 112.64,82.23 v1(112.64,82.18) ; 122.59,89.59 v1(121.59,88.59)
ROW1: length 189.1
  Top w0.25: U1.8 13.15,83.92 14.51,85.28 27,85.28 U1.8 31.11,89.21 34.01,89.21 34.13,89.09 39.9,89.09 ; 82.45,75.19 82.54,75.19 83.34,75.99 D10.2 83.88,75.74 ; 82.45,75.19 77.95,75.19 ; 82.45,75.19 83.88,75.19 83.88,75.74 ; 40.48,89.89 v1(39.22,89.89) ; 40.48,89.89 40.48,89.66 39.9,89.09 ; 40.48,89.89 40.48,89.09 ; 40.48,89.89 40.48,89.57 40.96,89.09 ; 39.9,89.09 40.48,89.09 ; 40.96,89.09 50.3,89.09 51.04,89.82 61.24,89.82 63.3,87.75 67.41,87.75 69.29,85.87 69.29,82.19 70.32,81.16 70.55,81.16 72.63,83.24 73.83,83.24 74.25,82.82 81.15,82.82 84.03,79.94 v1(84.03,77.08) 84.03,75.89 83.88,75.74 ; 40.96,89.09 40.48,89.09 ; v1(128.01,70.07) 123.13,70.07 118.75,65.69 ; 111.27,65.29 104.97,71.59 94.13,71.59 ; 94.13,71.59 v1(94.13,71.29) ; 94.13,71.59 D9.1 ; 77.95,75.19 77.48,75.65 77.48,75.73 ; 77.95,75.19 77.82,75.31
  Top w0.4: D8.1 114.28,64.49 115.48,65.69 118.75,65.69 ; D8.1 112.69,63.95 v1(112.69,63.38) ; D8.1 112.07,64.49 111.14,65.42 ; v1(132.03,84.47) D7.1 ; D11.2 72.45,75.99 v1(72.75,76.29) 76.92,76.29 77.48,75.73 ; v1(84.03,77.08) 83.88,76.92 D10.2 ; v1(86.43,73.05) 92.49,73.05 93.15,72.39 D9.1 v1(94.13,71.29)
  Bottom w0.25: D11.2 72.45,75.99 v1(72.75,76.29) ; 40.48,89.89 v1(39.22,89.89) ; v1(86.43,73.05) 84.29,75.19 83.88,75.19 D10.2 83.88,76.92 v1(84.03,77.08)
  Bottom w0.4: D8.1 113.23,63.92 v1(112.69,63.38) ; v1(132.03,84.47) D7.1 132.03,82.38 133.55,80.86 133.55,76.98 133.4,76.82 133.4,76.81 130.91,74.33 130.91,73.08 128.01,70.17 v1(128.01,70.07) ; D9.1 v1(94.13,71.29)
ROW2: length 265.5
  Top w0.25: v1(62.23,73.59) 61.17,73.59 59.91,74.85 D17.2 ; v1(62.23,73.59) 84.84,73.59 v1(89.57,68.85) 87.54,66.82 87.54,59.3 88.84,57.99 ; v1(62.23,73.59) 63.83,75.19 63.83,79.42 62.77,80.48 51.46,80.48 44.06,87.88 34.13,87.88 34.01,87.76 33.41,87.76 32.66,88.51 31.27,88.51 30.11,87.35 30.11,85.85 27.09,82.83 ; v1(27.05,68.6) 28.54,70.09 28.54,70.1 30.1,71.66 34.69,71.66 ; 27.09,82.83 U1.9 ; 27.09,82.83 25.33,82.83 24.37,83.79 v1(14.48,83.79) ; v1(14.48,82.2) 13.52,82.2 12.7,81.38 U1.9 ; 88.84,57.99 89.25,57.99 ; 88.84,57.99 D16.2 ; 131.8,46.47 132.17,46.1 v1(132.17,45.38) ; 131.8,46.47 131.19,46.47 ; 131.8,46.47 D13.1 ; 105.37,62.15 107.15,62.15 107.31,62.31 108.56,62.31 108.78,62.09 124.36,62.09 v1(124.41,62.15)
  Top w0.4: 34.69,71.66 35.02,71.33 39.54,71.33 40.5,72.28 D18.2 v1(41.98,72.36) ; v1(89.57,68.85) 90.91,70.19 D15.1 ; v1(27.05,68.6) 26.28,67.83 26.28,67.19 ; 116.23,62.07 111.97,62.07 111.87,62.17 107.47,62.17 107.44,62.15 105.37,62.15 102.62,59.4 102.6,59.41 100.67,59.41 100.65,59.4 99.42,59.4 99.16,59.14 93.7,59.14 93.61,59.23 90.5,59.23 89.25,57.99 ; v1(124.41,62.15) 124.08,62.15 124.01,62.07 121.8,62.07 ; 89.25,57.99 v1(89.56,57.68) ; 89.25,57.99 D16.2 88.28,58.55 87.54,59.3 ; v1(121.9,46.07) 122.42,45.55 122.42,45.2 D14.1 122.64,44.99 123.52,45.86 130.59,45.86 131.19,46.47 D13.1 v1(132.17,45.38)
  Bottom w0.25: 126.36,44.12 126.2,43.97 ; 126.36,44.12 123.71,44.12 123.63,44.05 ; 126.36,44.12 126.96,44.12 127.15,44.32 127.15,45.6 124.41,48.34 v1(124.41,62.15) ; v1(14.48,83.79) v1(14.48,82.2) ; 59.86,74.54 D17.2 ; U1.9 28.18,81.56 28.18,69.89 26.97,68.68 v1(27.05,68.6)
  Bottom w0.4: v1(89.57,68.85) 90.35,68.85 90.89,69.4 93.81,69.4 94.13,69.71 D15.1 ; v1(62.23,73.59) 60.97,74.85 D17.2 ; v1(89.56,57.68) 89.25,57.99 D16.2 ; v1(27.05,68.6) 26.28,67.83 26.28,67.19 ; D13.1 v1(132.17,45.38) ; D18.2 v1(41.98,72.36) ; 126.2,43.97 125.97,43.74 123.94,43.74 122.69,44.99 D14.1 121.9,45.71 v1(121.9,46.07)
ROW3: length 271.5
  Top w0.25: 48.97,55.09 48.97,54.96 49.63,54.29 53.33,54.29 ; 48.97,55.09 v1(46.65,55.09) ; 48.97,55.09 49.7,55.82 58.85,55.82 59.58,55.09 ; 112.91,45 v1(112.88,45.03) ; 112.91,45 D20.1 ; 112.91,45 113.14,45.24 117.73,45.24 118.94,44.03 D19.1 ; 79.59,55.64 80.84,55.64 80.99,55.5 89.04,55.5 91.65,52.89 92.11,52.89 ; U1.10 v1(13.95,78.84) ; v1(41.86,51.64) 42.34,51.64 50.62,43.36 54.23,43.36 54.45,43.58 ; v1(22.38,47.33) 27.89,47.33 31.78,51.23 ; 59.58,55.09 62.18,57.69 78.48,57.69 D22.2 ; 59.58,55.09 59.58,54.29 ; 32.11,79.63 32.64,79.1 34.56,79.1 35.56,80.1 35.56,80.67 36.12,81.24 ; v1(13.95,81.21) 24.41,81.21 25.51,80.11 U1.10 31.63,80.11 ; 109.43,45.25 107.24,45.25 106.65,45.84 106.12,45.84 105.94,46.03 105.94,46.5 99.06,53.37 96.34,53.37 95.05,52.09
  Top w0.35: 34.83,79.2 34.86,79.2
  Top w0.4: 59.58,55.09 61.38,56.89 ; 59.58,55.09 59.58,54.29 v1(60.84,54.29) ; 59.58,55.09 59.01,55.66 ; 76.73,57.69 76.73,57.66 v1(77.23,57.17) 77.5,56.89 D22.2 78.48,56.45 79.29,55.64 79.59,55.64 ; v1(133.44,44.31) 133.15,44.03 D19.1 120.15,44.03 118.93,45.25 113.1,45.25 v1(112.88,45.03) ; 36.4,81.41 36.23,81.24 36.12,81.24 35.95,81.07 35.95,80.39 34.83,79.27 34.83,79.2 34.47,78.84 32.94,78.84 32.16,79.63 32.11,79.63 31.63,80.11 ; 36.4,81.41 36.06,81.07 35.95,81.07 35.95,81.31 36.4,81.76 ; 36.4,81.41 36.4,81.76 ; v1(22.38,47.33) 22.34,47.29 D25.2 ; 53.33,54.29 53.8,54.29 57.55,50.54 57.55,47.99 56.8,47.24 56.53,47.24 54.91,45.62 54.91,44.04 54.45,43.58 ; 36.4,81.76 37.48,82.84 39.83,82.84 41.51,81.16 41.51,79.29 42.92,77.89 43.95,77.89 44.54,77.3 v1(46.65,77.3) ; 92.11,52.89 92.91,52.09 D21.1 ; v1(112.88,45.03) 112.88,43.96 D20.1 ; v1(112.88,45.03) 109.65,45.03 109.43,45.25 ; 31.78,51.23 31.91,51.36 32.39,51.36 33.86,52.83 38.38,52.83 38.52,52.69 38.69,52.69 39.49,51.89 D24.2 41.61,51.89 v1(41.86,51.64) ; 95.05,52.09 v1(95.35,51.79) ; 95.05,52.09 95.79,52.83 ; 95.05,52.09 D21.1 ; 95.05,52.09 D21.1
  Bottom w0.25: v1(46.65,77.3) v1(46.65,55.09) ; v1(13.95,81.21) v1(13.95,78.84)
  Bottom w0.4: D25.2 22.34,47.29 v1(22.38,47.33) ; D22.2 77.5,56.89 v1(77.23,57.17) ; v1(41.86,51.64) 41.61,51.89 D24.2 ; D19.1 133.15,44.03 v1(133.44,44.31) ; D21.1 95.05,52.09 v1(95.35,51.79) ; v1(112.88,45.03) 112.88,43.96 D20.1 ; 59.58,54.29 v1(60.84,54.29)
